# KiCad board Control v1.kicad_pcb
title: O; date: 2023-08-24; rev: 0.1; company: Public Invention
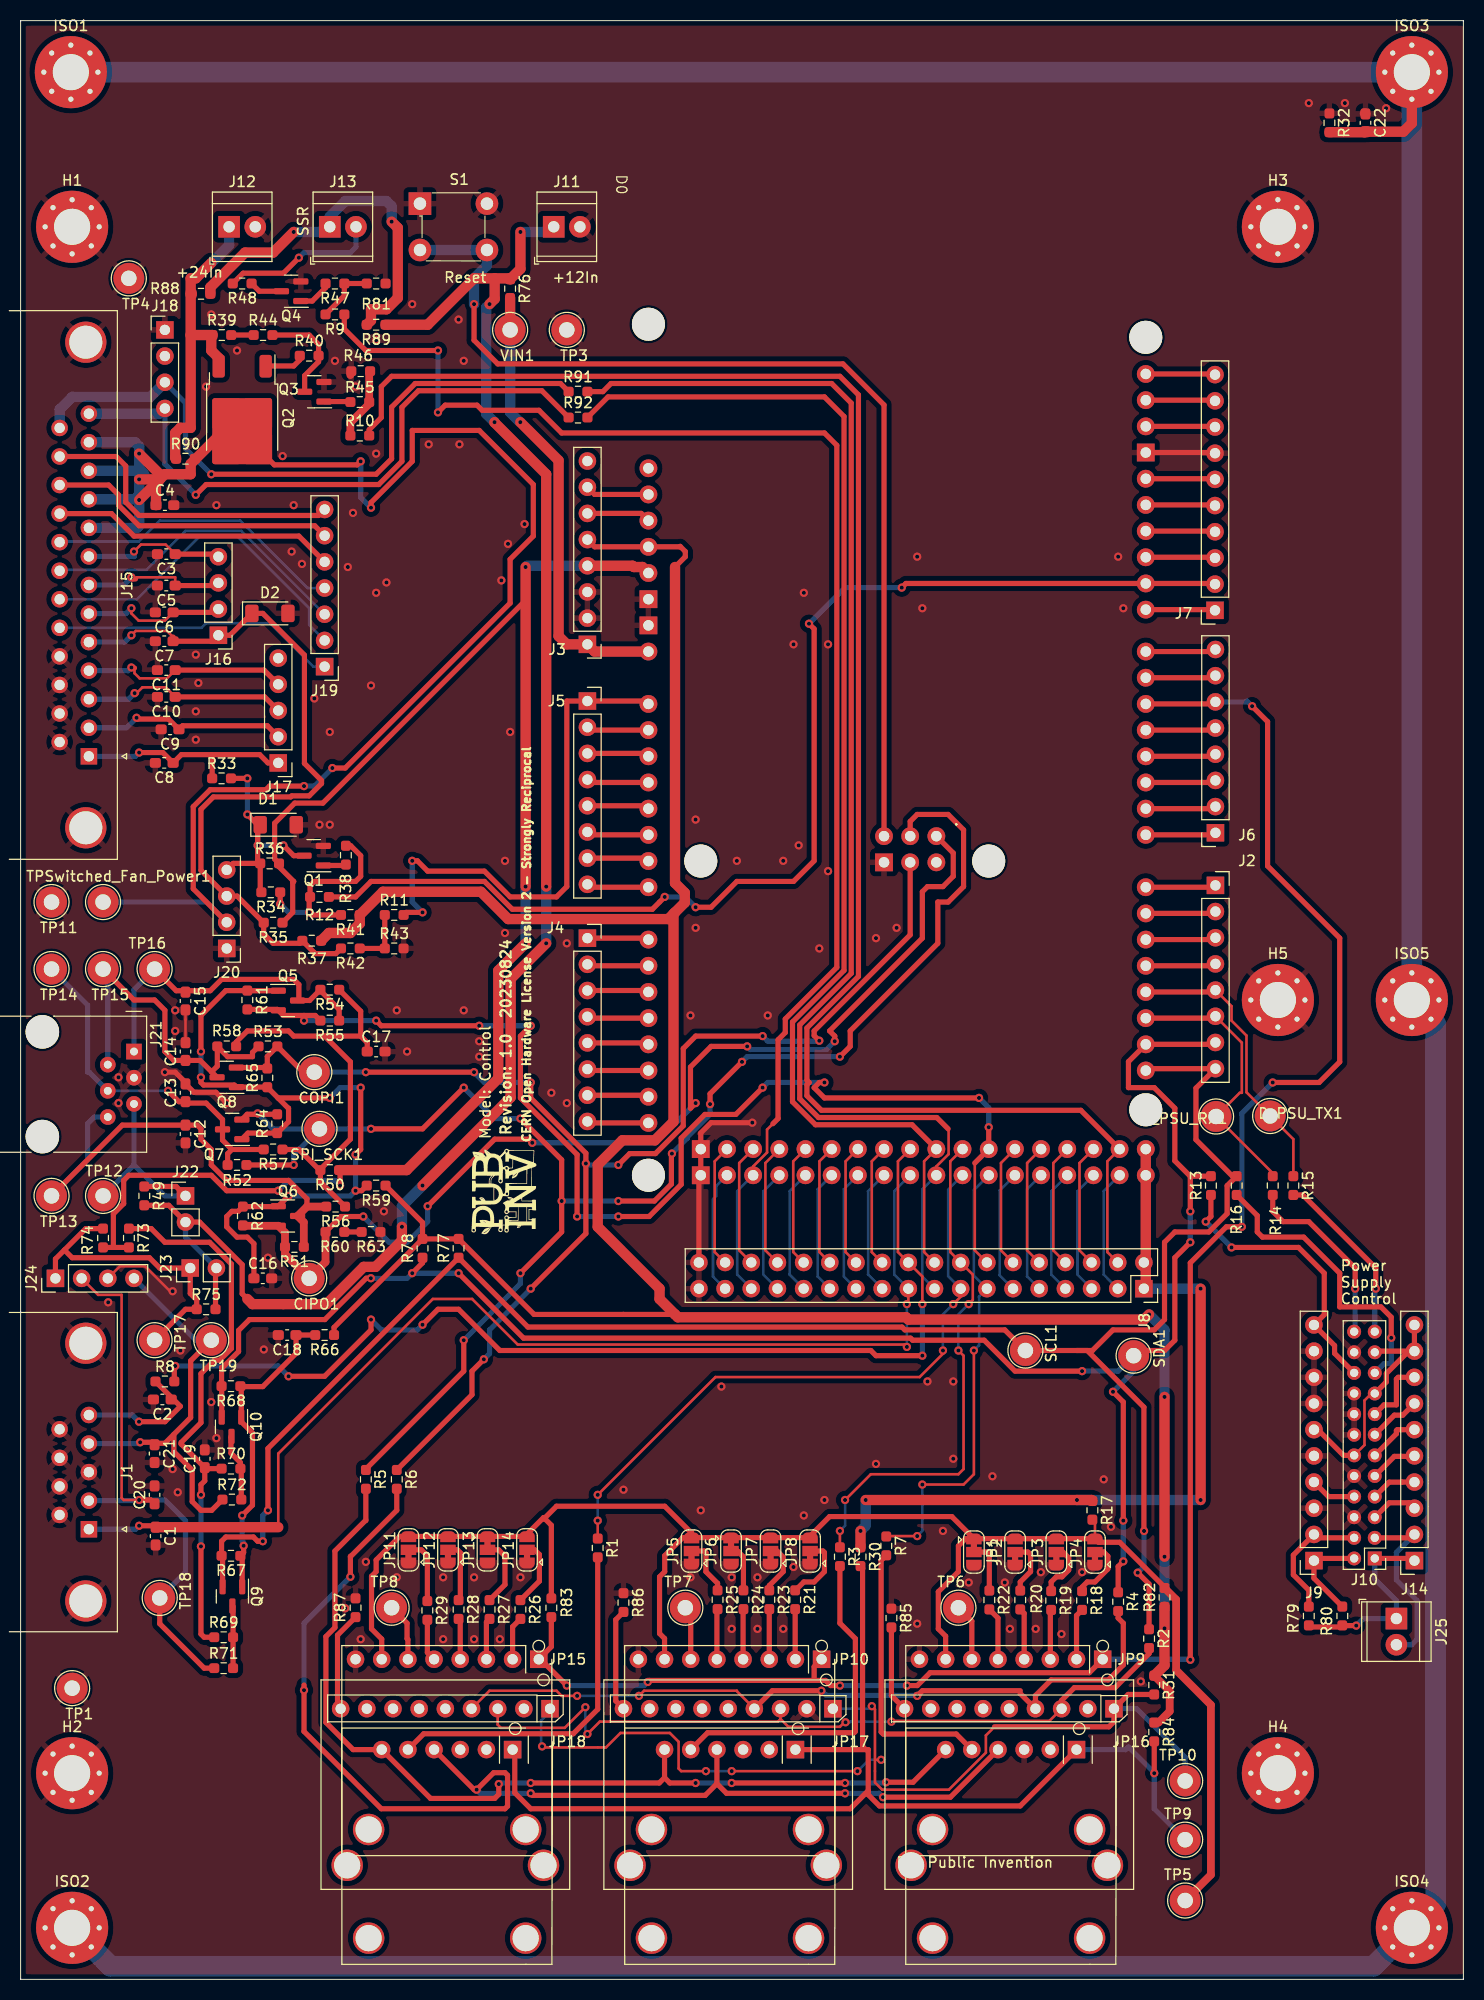
[diagram p0: board, top side]
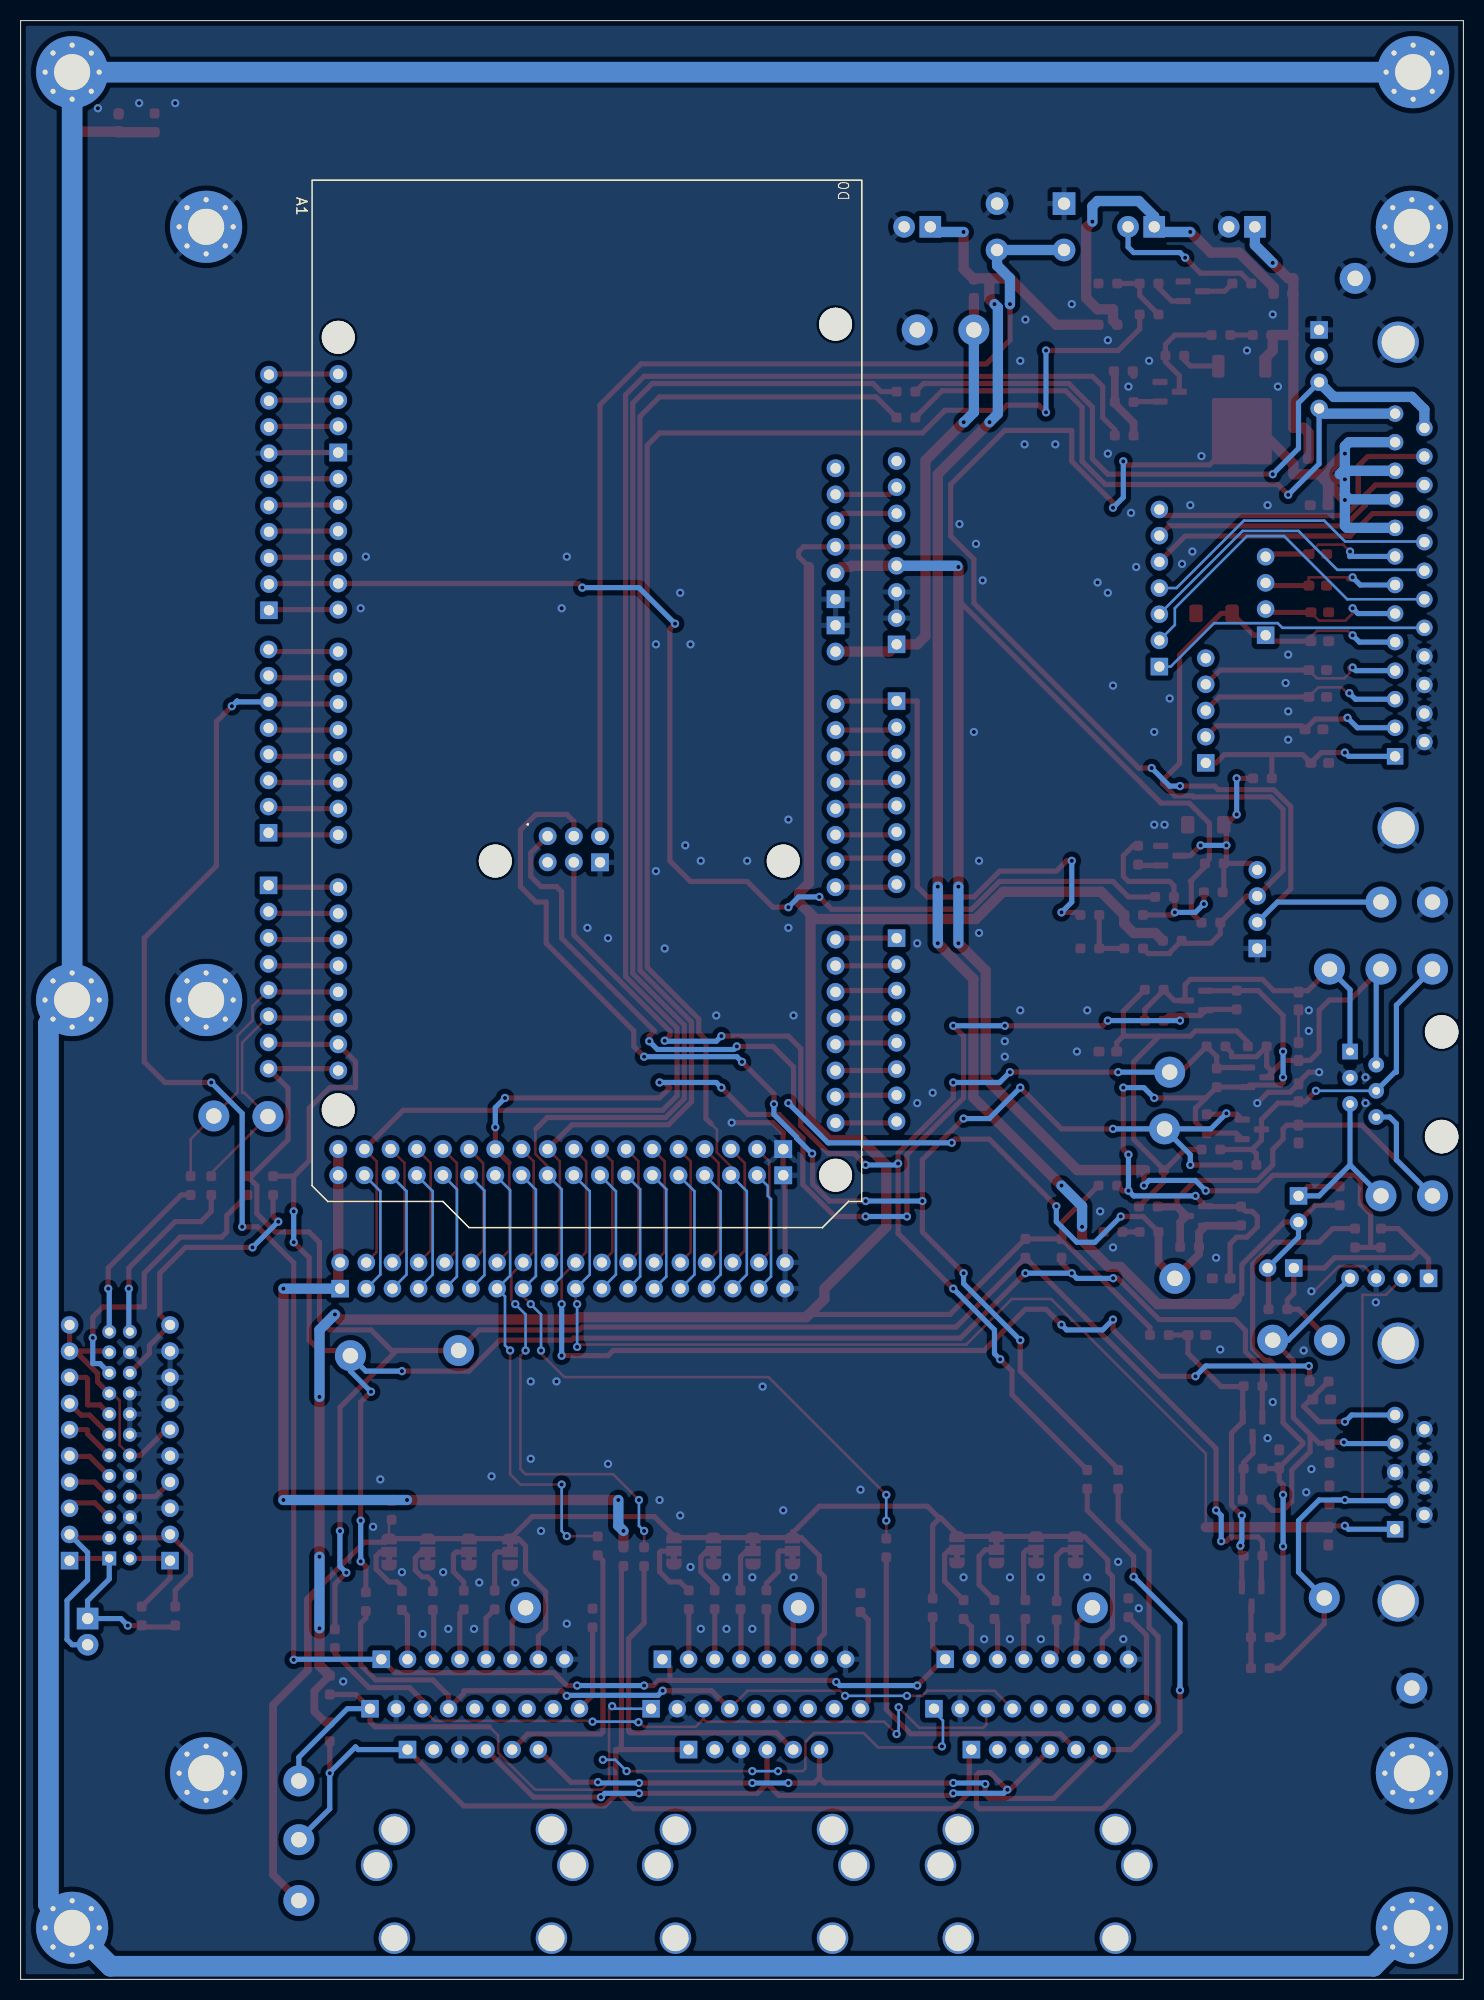
[diagram p1: board, bottom side, seen from below]

Outline 140 x 190 mm; copper layers: Top, Bottom. Coordinates in mm from the lower left corner of the outline.
Outline path: 0,190 0,0 140,0 140,190 0,190
Stack: Top 0.035mm / dielectric 1.51mm FR4 er 4.5 / Bottom 0.035mm

## Placement (name value [footprint] x y rotation side)
A1  -  [Arduino_Due_Shield]  58.38 174.52 270 top
C1  39PF  [C_0603_1608Metric_Pad1.08x0.95mm_HandSolder]  13.1 43 270 top
C2  39PF  [C_0603_1608Metric_Pad1.08x0.95mm_HandSolder]  13.75 56.25 180 top
C3  39pF  [C_0603_1608Metric_Pad1.08x0.95mm_HandSolder]  14.14 138.25 180 top
C4  39pF  [C_0603_1608Metric_Pad1.08x0.95mm_HandSolder]  14 143 0 top
C5  39pF  [C_0603_1608Metric_Pad1.08x0.95mm_HandSolder]  14.14 135.2 180 top
C6  39pF  [C_0603_1608Metric_Pad1.08x0.95mm_HandSolder]  13.94 132.6 180 top
C7  39pF  [C_0603_1608Metric_Pad1.08x0.95mm_HandSolder]  13.94 129.8 180 top
C8  39pF  [C_0603_1608Metric_Pad1.08x0.95mm_HandSolder]  13.94 118 180 top
C9  39pF  [C_0603_1608Metric_Pad1.08x0.95mm_HandSolder]  14.5 121.25 180 top
C10  39pF  [C_0603_1608Metric_Pad1.08x0.95mm_HandSolder]  14.14 124.4 180 top
C11  39pF  [C_0603_1608Metric_Pad1.08x0.95mm_HandSolder]  14.14 127 180 top
C12  39PF  [C_0603_1608Metric_Pad1.08x0.95mm_HandSolder]  16 82 270 top
C13  39PF  [C_0603_1608Metric_Pad1.08x0.95mm_HandSolder]  16 86 90 top
C14  39PF  [C_0603_1608Metric_Pad1.08x0.95mm_HandSolder]  16 90 90 top
C15  39PF  [C_0603_1608Metric_Pad1.08x0.95mm_HandSolder]  16 94.9 270 top
C16  1uF  [C_0603_1608Metric_Pad1.08x0.95mm_HandSolder]  23.5 68 0 top
C17  1uF  [C_0603_1608Metric_Pad1.08x0.95mm_HandSolder]  34.5 90 0 top
C18  1uF  [C_0603_1608Metric_Pad1.08x0.95mm_HandSolder]  25.86 62.5 180 top
C19  1uF  [C_0603_1608Metric_Pad1.08x0.95mm_HandSolder]  17.87 50.5 90 top
C20  39PF  [C_0603_1608Metric_Pad1.08x0.95mm_HandSolder]  13 47 90 top
C21  39PF  [C_0603_1608Metric_Pad1.08x0.95mm_HandSolder]  13 51 270 top
C22  10nF  [C_0603_1608Metric_Pad1.08x0.95mm_HandSolder]  130.5 180.09 270 top
CIPO1  CIPO  [TestPoint_Loop_D2.54mm_Drill1.5mm_Beaded]  28 68 0 top
COPI1  COPI  [TestPoint_Loop_D2.54mm_Drill1.5mm_Beaded]  28.5 88 0 top
D1  DNI  [D_MiniMELF]  25 112 0 top
D2  DNI  [D_MiniMELF]  24.19 132.5 0 top
D_PSU_RX1  D_PSU_RX  [TestPoint_Loop_D2.54mm_Drill1.5mm_Beaded]  116 83.7 0 top
D_PSU_TX1  D_PSU_TX  [TestPoint_Loop_D2.54mm_Drill1.5mm_Beaded]  121.25 83.75 0 top
G***  LOGO  [Logo_PI_BandW_70percent_10x10]  47.1 76.4 90 top
H1  MountingHole_Pad_3.5mm  [MountingHole_3.5mm_Pad_Via]  5 170 0 top
H2  MountingHole_Pad_3.5mm  [MountingHole_3.5mm_Pad_Via]  5 20 0 top
H3  MountingHole_Pad_3.5mm  [MountingHole_3.5mm_Pad_Via]  122 170 0 top
H4  MountingHole_Pad_3.5mm  [MountingHole_3.5mm_Pad_Via]  122 20 0 top
H5  MountingHole_Pad_3.5mm  [MountingHole_3.5mm_Pad_Via]  122 95 0 top
ISO1  MountingHole_Pad_3.5mm  [MountingHole_3.5mm_Pad_Via]  4.88 185 0 top
ISO2  MountingHole_Pad_3.5mm  [MountingHole_3.5mm_Pad_Via]  5 5 0 top
ISO3  MountingHole_Pad_3.5mm  [MountingHole_3.5mm_Pad_Via]  135 185 0 top
ISO4  MountingHole_Pad_3.5mm  [MountingHole_3.5mm_Pad_Via]  135 5 0 top
ISO5  MountingHole_Pad_3.5mm  [MountingHole_3.5mm_Pad_Via]  135 95 0 top
J1  DB9_Female_MountingHoles  [DSUB-9_Female_Horizontal_P2.77x2.84mm_EdgePinOffset4.94mm_Housed_MountingHolesOffset7.48mm]  6.63 43.67 270 top
J2  Conn_01x08  [PinSocket_1x08_P2.54mm_Vertical]  115.94 106.12 0 top
J3  Conn_01x08  [PinHeader_1x08_P2.54mm_Vertical]  55 129.5 180 top
J4  Conn_01x08  [PinSocket_1x08_P2.54mm_Vertical]  55 101 0 top
J5  Conn_01x08  [PinSocket_1x08_P2.54mm_Vertical]  55 124 0 top
J6  Conn_01x08  [PinSocket_1x08_P2.54mm_Vertical]  115.94 111.22 180 top
J7  Conn_01x10  [PinSocket_1x10_P2.54mm_Vertical]  115.9 132.8 180 top
J8  Conn_02x18_Odd_Even  [PinSocket_2x18_P2.54mm_Vertical]  109 67 270 top
J9  Conn_01x10  [PinSocket_1x10_P2.54mm_Vertical]  125.5 40.62 180 top
J10  Conn_02x12_Odd_Even  [PinHeader_2x12_P2.00mm_Vertical]  131.4 40.83 180 top
J11  Screw_Terminal_01x02  [TerminalBlock_TE_282834-2_1x02_P2.54mm_Horizontal]  51.73 170 0 top
J12  Screw_Terminal_01x02  [TerminalBlock_TE_282834-2_1x02_P2.54mm_Horizontal]  20.23 170 0 top
J13  Screw_Terminal_01x02  [TerminalBlock_TE_282834-2_1x02_P2.54mm_Horizontal]  30 170 0 top
J14  Conn_01x10  [PinSocket_1x10_P2.54mm_Vertical]  135.25 40.62 180 top
J15  DB25_Female_MountingHoles  [DSUB-25_Female_Horizontal_P2.77x2.84mm_EdgePinOffset4.94mm_Housed_MountingHolesOffset7.48mm]  6.63 118.64 270 top
J16  Conn_01x04  [PinHeader_1x04_P2.54mm_Vertical]  19.19 130.38 180 top
J17  Conn_01x05  [PinHeader_1x05_P2.54mm_Vertical]  25 118 180 top
J18  Conn_01x04  [PinHeader_1x04_P2.54mm_Vertical]  14 160 0 top
J19  Conn_01x07  [PinHeader_1x07_P2.54mm_Vertical]  29.5 127.34 180 top
J20  Conn_01x04  [PinHeader_1x04_P2.54mm_Vertical]  20 100 180 top
J21  RJ12_6P6C_HORZ  [RJ12_Amphenol_54601]  11 90 270 top
J22  0.100_2Pin  [PinHeader_1x02_P2.54mm_Vertical]  16 76 0 top
J23  0.100_2Pin  [PinHeader_1x02_P2.54mm_Vertical]  16.46 69 90 top
J24  Conn_01x04  [PinHeader_1x04_P2.54mm_Vertical]  3.38 68 90 top
J25  Screw_Terminal_01x02  [TerminalBlock_TE_282834-2_1x02_P2.54mm_Horizontal]  133.5 35 270 top
JP1  SolderJumper_3_Bridged12  [SolderJumper-3_P1.3mm_Bridged12_RoundedPad1.0x1.5mm]  92.5 41.45 270 top
JP2  SolderJumper_3_Bridged12  [SolderJumper-3_P1.3mm_Bridged12_RoundedPad1.0x1.5mm]  96.5 41.45 90 top
JP3  SolderJumper_3_Bridged12  [SolderJumper-3_P1.3mm_Bridged12_RoundedPad1.0x1.5mm]  100.5 41.45 90 top
JP4  SolderJumper_3_Bridged12  [SolderJumper-3_P1.3mm_Bridged12_RoundedPad1.0x1.5mm]  104.25 41.45 90 top
JP5  SolderJumper_3_Bridged12  [SolderJumper-3_P1.3mm_Bridged12_RoundedPad1.0x1.5mm]  65.1 41.55 90 top
JP6  SolderJumper_3_Bridged12  [SolderJumper-3_P1.3mm_Bridged12_RoundedPad1.0x1.5mm]  68.94 41.55 270 top
JP7  SolderJumper_3_Bridged12  [SolderJumper-3_P1.3mm_Bridged12_RoundedPad1.0x1.5mm]  72.77 41.55 90 top
JP8  SolderJumper_3_Bridged12  [SolderJumper-3_P1.3mm_Bridged12_RoundedPad1.0x1.5mm]  76.61 41.55 90 top
JP9  MAX31850K  [Adafruit_MAX31850K_Module]  105 31.05 180 top
JP10  MAX31850K  [Adafruit_MAX31850K_Module]  77.72 31.05 180 top
JP11  SolderJumper_3_Bridged12  [SolderJumper-3_P1.3mm_Bridged12_RoundedPad1.0x1.5mm]  37.64 41.66 90 top
JP12  SolderJumper_3_Bridged12  [SolderJumper-3_P1.3mm_Bridged12_RoundedPad1.0x1.5mm]  41.47 41.66 90 top
JP13  SolderJumper_3_Bridged12  [SolderJumper-3_P1.3mm_Bridged12_RoundedPad1.0x1.5mm]  45.31 41.66 270 top
JP14  SolderJumper_3_Bridged12  [SolderJumper-3_P1.3mm_Bridged12_RoundedPad1.0x1.5mm]  49.14 41.66 90 top
JP15  MAX31850K  [Adafruit_MAX31850K_Module]  50.28 31.05 180 top
JP16  MAX31855  [Adafruit_MAX31855_Module]  105 23.05 180 top
JP17  MAX31855  [Adafruit_MAX31855_Module]  77.72 23.05 180 top
JP18  MAX31855  [Adafruit_MAX31855_Module]  50.28 23.05 180 top
JP19  MCP9600  [Adafruit_MCP9600_Module]  108 29.05 180 top
JP20  MCP9600_  [Adafruit_MCP9600_Module]  80.72 29.05 180 top
JP21  MCP9600  [Adafruit_MCP9600_Module]  53.28 29.05 180 top
Q1  BSS138  [SOT-23]  28.44 109 180 top
Q2  NCE01P30K  [TO-252-2]  21.5 151.44 270 top
Q3  BSS138  [SOT-23]  28.5 154 180 top
Q4  BSS138  [SOT-23]  26.25 163.75 180 top
Q5  BSS138  [SOT-23]  25.94 94.95 0 top
Q6  BSS138  [SOT-23]  25.94 74.05 0 top
Q7  BSS138  [SOT-23]  20.53 82.45 180 top
Q8  BSS138  [SOT-23]  20 87.5 180 top
Q9  BSS138  [SOT-23]  20.55 37.15 270 top
Q10  BSS138  [SOT-23]  20.46 53.61 270 top
R1  1R0  [R_0603_1608Metric_Pad0.98x0.95mm_HandSolder]  56 41.85 270 top
R2  1R0  [R_0603_1608Metric_Pad0.98x0.95mm_HandSolder]  109.5 33.05 270 top
R3  1R0  [R_0603_1608Metric_Pad0.98x0.95mm_HandSolder]  79.5 41 270 top
R4  1R0  [R_0603_1608Metric_Pad0.98x0.95mm_HandSolder]  106.5 36.64 270 top
R5  1R0  [R_0603_1608Metric_Pad0.98x0.95mm_HandSolder]  33.5 48.5 270 top
R6  1R0  [R_0603_1608Metric_Pad0.98x0.95mm_HandSolder]  36.5 48.5 270 top
R7  1R0  [R_0603_1608Metric_Pad0.98x0.95mm_HandSolder]  84 42.05 270 top
R8  1R0  [R_0603_1608Metric_Pad0.98x0.95mm_HandSolder]  14 58 0 top
R9  1R  [R_0603_1608Metric_Pad0.98x0.95mm_HandSolder]  30.5 161.5 180 top
R10  1R  [R_0603_1608Metric_Pad0.98x0.95mm_HandSolder]  32.91 149.75 0 top
R11  1R  [R_0603_1608Metric_Pad0.98x0.95mm_HandSolder]  36.25 103.25 0 top
R12  1R  [R_0603_1608Metric_Pad0.98x0.95mm_HandSolder]  29 105 0 top
R13  1R0  [R_0603_1608Metric_Pad0.98x0.95mm_HandSolder]  115.5 77 90 top
R14  1R0  [R_0603_1608Metric_Pad0.98x0.95mm_HandSolder]  121.5 77 90 top
R15  1R0  [R_0603_1608Metric_Pad0.98x0.95mm_HandSolder]  123.5 77 270 top
R16  1R0  [R_0603_1608Metric_Pad0.98x0.95mm_HandSolder]  118 77 270 top
R17  DNI  [R_0603_1608Metric_Pad0.98x0.95mm_HandSolder]  104 45.5 270 top
R18  1K  [R_0603_1608Metric_Pad0.98x0.95mm_HandSolder]  103 36.75 270 top
R19  1K  [R_0603_1608Metric_Pad0.98x0.95mm_HandSolder]  100 36.75 270 top
R20  1K  [R_0603_1608Metric_Pad0.98x0.95mm_HandSolder]  97 36.8 270 top
R21  1K  [R_0603_1608Metric_Pad0.98x0.95mm_HandSolder]  75.16 36.82 270 top
R22  1K  [R_0603_1608Metric_Pad0.98x0.95mm_HandSolder]  94 36.8 270 top
R23  1K  [R_0603_1608Metric_Pad0.98x0.95mm_HandSolder]  72.65 36.82 270 top
R24  1K  [R_0603_1608Metric_Pad0.98x0.95mm_HandSolder]  70.14 36.82 270 top
R25  1K  [R_0603_1608Metric_Pad0.98x0.95mm_HandSolder]  67.63 36.82 270 top
R26  1K  [R_0603_1608Metric_Pad0.98x0.95mm_HandSolder]  48.5 35.88 270 top
R27  1K  [R_0603_1608Metric_Pad0.98x0.95mm_HandSolder]  45.5 35.88 270 top
R28  1K  [R_0603_1608Metric_Pad0.98x0.95mm_HandSolder]  42.5 35.88 270 top
R29  1K  [R_0603_1608Metric_Pad0.98x0.95mm_HandSolder]  39.47 35.79 270 top
R30  DNI  [R_0603_1608Metric_Pad0.98x0.95mm_HandSolder]  81.5 41 270 top
R31  1R0  [R_0603_1608Metric_Pad0.98x0.95mm_HandSolder]  110 28.55 270 top
R32  4M7  [R_0603_1608Metric_Pad0.98x0.95mm_HandSolder]  127 180.09 270 top
R33  1R0  [R_0603_1608Metric_Pad0.98x0.95mm_HandSolder]  19.5 116.5 0 top
R34  DNI  [R_0603_1608Metric_Pad0.98x0.95mm_HandSolder]  24.28 105.45 180 top
R35  DNI  [R_0603_1608Metric_Pad0.98x0.95mm_HandSolder]  24.5 102.5 180 top
R36  1K  [R_0603_1608Metric_Pad0.98x0.95mm_HandSolder]  24.16 108.25 0 top
R37  1K  [R_0603_1608Metric_Pad0.98x0.95mm_HandSolder]  28.25 100.75 0 top
R38  1K  [R_0603_1608Metric_Pad0.98x0.95mm_HandSolder]  31.56 109.05 90 top
R39  10K  [R_0603_1608Metric_Pad0.98x0.95mm_HandSolder]  19.53 159.5 0 top
R40  10K  [R_0603_1608Metric_Pad0.98x0.95mm_HandSolder]  28 157.5 0 top
R41  10K  [R_0603_1608Metric_Pad0.98x0.95mm_HandSolder]  32 103.25 180 top
R42  1K  [R_0603_1608Metric_Pad0.98x0.95mm_HandSolder]  32 100 180 top
R43  DNI  [R_0603_1608Metric_Pad0.98x0.95mm_HandSolder]  36.25 100 0 top
R44  10K  [R_0603_1608Metric_Pad0.98x0.95mm_HandSolder]  23.53 159.5 0 top
R45  1K  [R_0603_1608Metric_Pad0.98x0.95mm_HandSolder]  32.91 153 0 top
R46  10K  [R_0603_1608Metric_Pad0.98x0.95mm_HandSolder]  33 156 180 top
R47  1K  [R_0603_1608Metric_Pad0.98x0.95mm_HandSolder]  30.5 164.5 180 top
R48  1R0  [R_0603_1608Metric_Pad0.98x0.95mm_HandSolder]  21.5 164.5 180 top
R49  1R  [R_0603_1608Metric_Pad0.98x0.95mm_HandSolder]  12 76 270 top
R50  1R  [R_0603_1608Metric_Pad0.98x0.95mm_HandSolder]  30 78.5 180 top
R51  DNI  [R_0603_1608Metric_Pad0.98x0.95mm_HandSolder]  26.57 71.05 180 top
R52  DNI  [R_0603_1608Metric_Pad0.98x0.95mm_HandSolder]  21 79 0 top
R53  DNI  [R_0603_1608Metric_Pad0.98x0.95mm_HandSolder]  24 90.5 0 top
R54  1K  [R_0603_1608Metric_Pad0.98x0.95mm_HandSolder]  30 96 180 top
R55  DNI  [R_0603_1608Metric_Pad0.98x0.95mm_HandSolder]  30 93 180 top
R56  10K  [R_0603_1608Metric_Pad0.98x0.95mm_HandSolder]  30.57 74.96 180 top
R57  1K  [R_0603_1608Metric_Pad0.98x0.95mm_HandSolder]  24.5 80.5 180 top
R58  1K  [R_0603_1608Metric_Pad0.98x0.95mm_HandSolder]  20 90.5 180 top
R59  1R  [R_0603_1608Metric_Pad0.98x0.95mm_HandSolder]  34.5 77 180 top
R60  DNI  [R_0603_1608Metric_Pad0.98x0.95mm_HandSolder]  30.5 72.5 180 top
R61  10K  [R_0603_1608Metric_Pad0.98x0.95mm_HandSolder]  22 95 270 top
R62  1K  [R_0603_1608Metric_Pad0.98x0.95mm_HandSolder]  21.57 74.05 270 top
R63  DNI  [R_0603_1608Metric_Pad0.98x0.95mm_HandSolder]  34 72.5 180 top
R64  10K  [R_0603_1608Metric_Pad0.98x0.95mm_HandSolder]  24.9 83 90 top
R65  10K  [R_0603_1608Metric_Pad0.98x0.95mm_HandSolder]  23.94 87.45 90 top
R66  1R  [R_0603_1608Metric_Pad0.98x0.95mm_HandSolder]  29.5 62.5 180 top
R67  10K  [R_0603_1608Metric_Pad0.98x0.95mm_HandSolder]  20.41 41.09 180 top
R68  10K  [R_0603_1608Metric_Pad0.98x0.95mm_HandSolder]  20.41 57.54 180 top
R69  10K  [R_0603_1608Metric_Pad0.98x0.95mm_HandSolder]  19.7 33.19 0 top
R70  10K  [R_0603_1608Metric_Pad0.98x0.95mm_HandSolder]  20.41 49.54 0 top
R71  39R  [R_0603_1608Metric_Pad0.98x0.95mm_HandSolder]  19.7 30.19 0 top
R72  39R  [R_0603_1608Metric_Pad0.98x0.95mm_HandSolder]  20.5 46.54 0 top
R73  1R  [R_0603_1608Metric_Pad0.98x0.95mm_HandSolder]  10.51 71.91 270 top
R74  DNI  [R_0603_1608Metric_Pad0.98x0.95mm_HandSolder]  8 71.91 270 top
R75  DNI  [R_0603_1608Metric_Pad0.98x0.95mm_HandSolder]  18 65 0 top
R76  1R0  [R_0603_1608Metric_Pad0.98x0.95mm_HandSolder]  47.5 164 270 top
R77  4K7  [R_0603_1608Metric_Pad0.98x0.95mm_HandSolder]  42.5 70.91 90 top
R78  4K7  [R_0603_1608Metric_Pad0.98x0.95mm_HandSolder]  39 70.91 90 top
R79  1R0  [R_0603_1608Metric_Pad0.98x0.95mm_HandSolder]  125 35.25 90 top
R80  1R0  [R_0603_1608Metric_Pad0.98x0.95mm_HandSolder]  128.25 35.25 90 top
R81  10K  [R_0603_1608Metric_Pad0.98x0.95mm_HandSolder]  34.5 164.5 0 top
R82  1R0  [R_0603_1608Metric_Pad0.98x0.95mm_HandSolder]  111 37.05 90 top
R83  4K7  [R_0603_1608Metric_Pad0.98x0.95mm_HandSolder]  51.5 36.05 90 top
R84  1R0  [R_0603_1608Metric_Pad0.98x0.95mm_HandSolder]  110 24 270 top
R85  DNI  [R_0603_1608Metric_Pad0.98x0.95mm_HandSolder]  84.5 35.05 270 top
R86  DNI  [R_0603_1608Metric_Pad0.98x0.95mm_HandSolder]  58.5 36.55 270 top
R87  DNI  [R_0603_1608Metric_Pad0.98x0.95mm_HandSolder]  32.5 36.05 270 top
R88  1R0  [R_0603_1608Metric_Pad0.98x0.95mm_HandSolder]  17.5 163.5 0 top
R89  DNI  [R_0603_1608Metric_Pad0.98x0.95mm_HandSolder]  34.5 160.5 180 top
R90  DNI  [R_0603_1608Metric_Pad0.98x0.95mm_HandSolder]  16 147.5 0 top
R91  1R  [R_0603_1608Metric_Pad0.98x0.95mm_HandSolder]  54.09 154.01 0 top
R92  1R  [R_0603_1608Metric_Pad0.98x0.95mm_HandSolder]  54.09 151.5 0 top
S1  SWITCH_TACTILE_SPST-NO_0.05A_24V  [Switch_Tactile_THT_6x6mm]  38.75 172.25 0 top
SCL1  SCL  [TestPoint_Loop_D2.54mm_Drill1.5mm_Beaded]  97.5 61 90 top
SDA1  SDA  [TestPoint_Loop_D2.54mm_Drill1.5mm_Beaded]  108 60.5 90 top
SPI_SCK1  SPI_SCK  [TestPoint_Loop_D2.54mm_Drill1.5mm_Beaded]  29 82.5 0 top
TP1  GND  [TestPoint_Loop_D2.54mm_Drill1.5mm_Beaded]  5 28.25 0 top
TP3  GND  [TestPoint_Loop_D2.54mm_Drill1.5mm_Beaded]  53 160 0 top
TP4  GND  [TestPoint_Loop_D2.54mm_Drill1.5mm_Beaded]  10.5 165 0 top
TP5  +VccMAX31850  [TestPoint_Loop_D2.54mm_Drill1.5mm_Beaded]  113 7.65 180 top
TP6  +VccMAX31850_1  [TestPoint_Loop_D2.54mm_Drill1.5mm_Beaded]  91 36.05 180 top
TP7  +VccMAX31850_2  [TestPoint_Loop_D2.54mm_Drill1.5mm_Beaded]  64.5 36.05 180 top
TP8  +VccMAX31850_3  [TestPoint_Loop_D2.54mm_Drill1.5mm_Beaded]  36 36.05 180 top
TP9  +VccMAX3185  [TestPoint_Loop_D2.54mm_Drill1.5mm_Beaded]  113 13.55 180 top
TP10  +VccMCP9600  [TestPoint_Loop_D2.54mm_Drill1.5mm_Beaded]  113 19.25 180 top
TP11  GND  [TestPoint_Loop_D2.54mm_Drill1.5mm_Beaded]  3 104.5 0 top
TP12  ControllerVCC  [TestPoint_Loop_D2.54mm_Drill1.5mm_Beaded]  8 76 0 top
TP13  CPIO  [TestPoint_Loop_D2.54mm_Drill1.5mm_Beaded]  3 76 0 top
TP14  SCK  [TestPoint_Loop_D2.54mm_Drill1.5mm_Beaded]  3 98 0 top
TP15  COPI  [TestPoint_Loop_D2.54mm_Drill1.5mm_Beaded]  8 98 0 top
TP16  nCS  [TestPoint_Loop_D2.54mm_Drill1.5mm_Beaded]  13 98 180 top
TP17  I2C_VCC  [TestPoint_Loop_D2.54mm_Drill1.5mm_Beaded]  13 62 90 top
TP18  SCL_5V  [TestPoint_Loop_D2.54mm_Drill1.5mm_Beaded]  13.5 37 90 top
TP19  SDA_5V  [TestPoint_Loop_D2.54mm_Drill1.5mm_Beaded]  18.5 62 0 top
TPSwitched_Fan_Power1  Switched_Fan_Power  [TestPoint_Loop_D2.54mm_Drill1.5mm_Beaded]  8 104.5 0 top
VIN1  VIN1  [TestPoint_Loop_D2.54mm_Drill1.5mm_Beaded]  47.5 160 0 top

## Library data of the parts
A1 = -: Description: Shield for Arduino Due
C1 C2 C12-C15 C20 C21 = -: Description: Unpolarized capacitor; AssemblyType: SMT; Cost: 0.0025; Distributor 1: JLCPCB; Distributor 1 PN: C107049; LongLead: NO; MPN: CC0603JRNPO9BN390; Manufacturer: YAGEO
C3-C11 = -: Description: Unpolarized capacitor; AssemblyType: SMT; Cost: 0.003; Distributor 1: JLCPCB; Distributor 1 PN: C107049; MPN: CC0603JRNPO9BN390; Manufacturer: YAGEO
C16-C19 = -: Description: Unpolarized capacitor; AssemblyType: SMT; Cost: 0.0025; Distributor 1: JLCPCB; LongLead: NO; Manufacturer: YAGEO
C22 = -: Description: Unpolarized capacitor; AssemblyType: SMT; Cost: 0.003; Distributor 1: JLCPCB; MPN: CC0603JRNPO9BN390; Manufacturer: YAGEO
CIPO1 COPI1 D_PSU_RX1 D_PSU_TX1 SCL1 SDA1 SPI_SCK1 TP1 TP3-TP11 TPSwitched_Fan_Power1 VIN1 = -: Description: test point; AssemblyType: HAND
D1 D2 = -: Description: 3.3V, 500mW, 2%, Zener diode, MiniMELF; AssemblyType: SMT
H1-H5 ISO1-ISO5 = -: Description: Mounting Hole with connection; AssemblyType: NA; Cost: 0; Distributor 1: NA; Distributor 1 PN: NA
J1 = -: Description: 9-pin female D-SUB connector, Mounting Hole
J2-J6 = -: Description: Generic connector, single row, 01x08, script generated (kicad-library-utils/schlib/autogen/connector/); AssemblyType: HAND; Cost: 0.0762; Distributor 1: JLCPCB; Distributor 1 PN: C2894931; MPN: PZ254-1-08-Z-8.5; Manufacturer: HCTL
J7 J9 J14 = -: Description: Generic connector, single row, 01x10, script generated (kicad-library-utils/schlib/autogen/connector/); AssemblyType: HAND; Cost: 0.0942; Distributor 1: JLCPCB; Distributor 1 PN: C2894933; MPN: PZ254-1-10-Z-8.5; Manufacturer: HCTL
J8 = -: Description: Generic connector, double row, 02x18, odd/even pin numbering scheme (row 1 odd numbers, row 2 even numbers), script generated (kicad-library-utils/schlib/autogen/connector/)
J10 = -: Description: Generic connector, double row, 02x12, odd/even pin numbering scheme (row 1 odd numbers, row 2 even numbers), script generated (kicad-library-utils/schlib/autogen/connector/); AssemblyType: HAND; Distributor 2: JLCPCB; Distributor 2 PN: https://jlcpcb.com/partdetail/Cnjm-CNJMA2006WV_2X12P9T/C2834570; Part Number: B24B-PHDSS
J11-J13 J25 = -: Description: Generic screw terminal, single row, 01x02, script generated (kicad-library-utils/schlib/autogen/connector/); AssemblyType: HAND; Cost: 0.1537; Distributor 1: JLCPCB; Distributor 1 PN: C2915639
J15 = -: Description: 25-pin female D-SUB connector, Mounting Hole
J16 J18 J24 = -: Description: Generic connector, single row, 01x04, script generated (kicad-library-utils/schlib/autogen/connector/); AssemblyType: HAND
J17 = -: Description: Generic connector, single row, 01x05, script generated (kicad-library-utils/schlib/autogen/connector/); AssemblyType: HAND
J19 = -: Description: Generic connector, single row, 01x07, script generated (kicad-library-utils/schlib/autogen/connector/); AssemblyType: HAND
J20 = -: Description: Generic connector, single row, 01x04, script generated; AssemblyType: HAND
J21 = -: Description: RJ connector, 6P6C (6 positions 6 connected), RJ12/RJ18/RJ25; AssemblyType: HAND; Cost: 0.8901; Distributor 1: JLCPCB; Distributor 1 PN: C305981; Distributor 2: Digikey; Distributor 2 PN: A31422-ND; LongLead: YES; MPN: 5555165-1; Manufacturer: TE Connectivity
J22 J23 = -: Description: CONN HEADER VERT 2POS 2.54MM; AssemblyType: HAND; Category: Connectors, Interconnects; Cost: 0.1458; Distributor 1: JLCPCB; Distributor 1 PN: C168673; Family: Rectangular Connectors - Headers, Male Pins; LongLead: YES; MPN: 68000-102HLF; Manufacturer: Amphenol ICC; Status: Active